# Altium PCB Crawler_Brain.PcbDoc (continued)
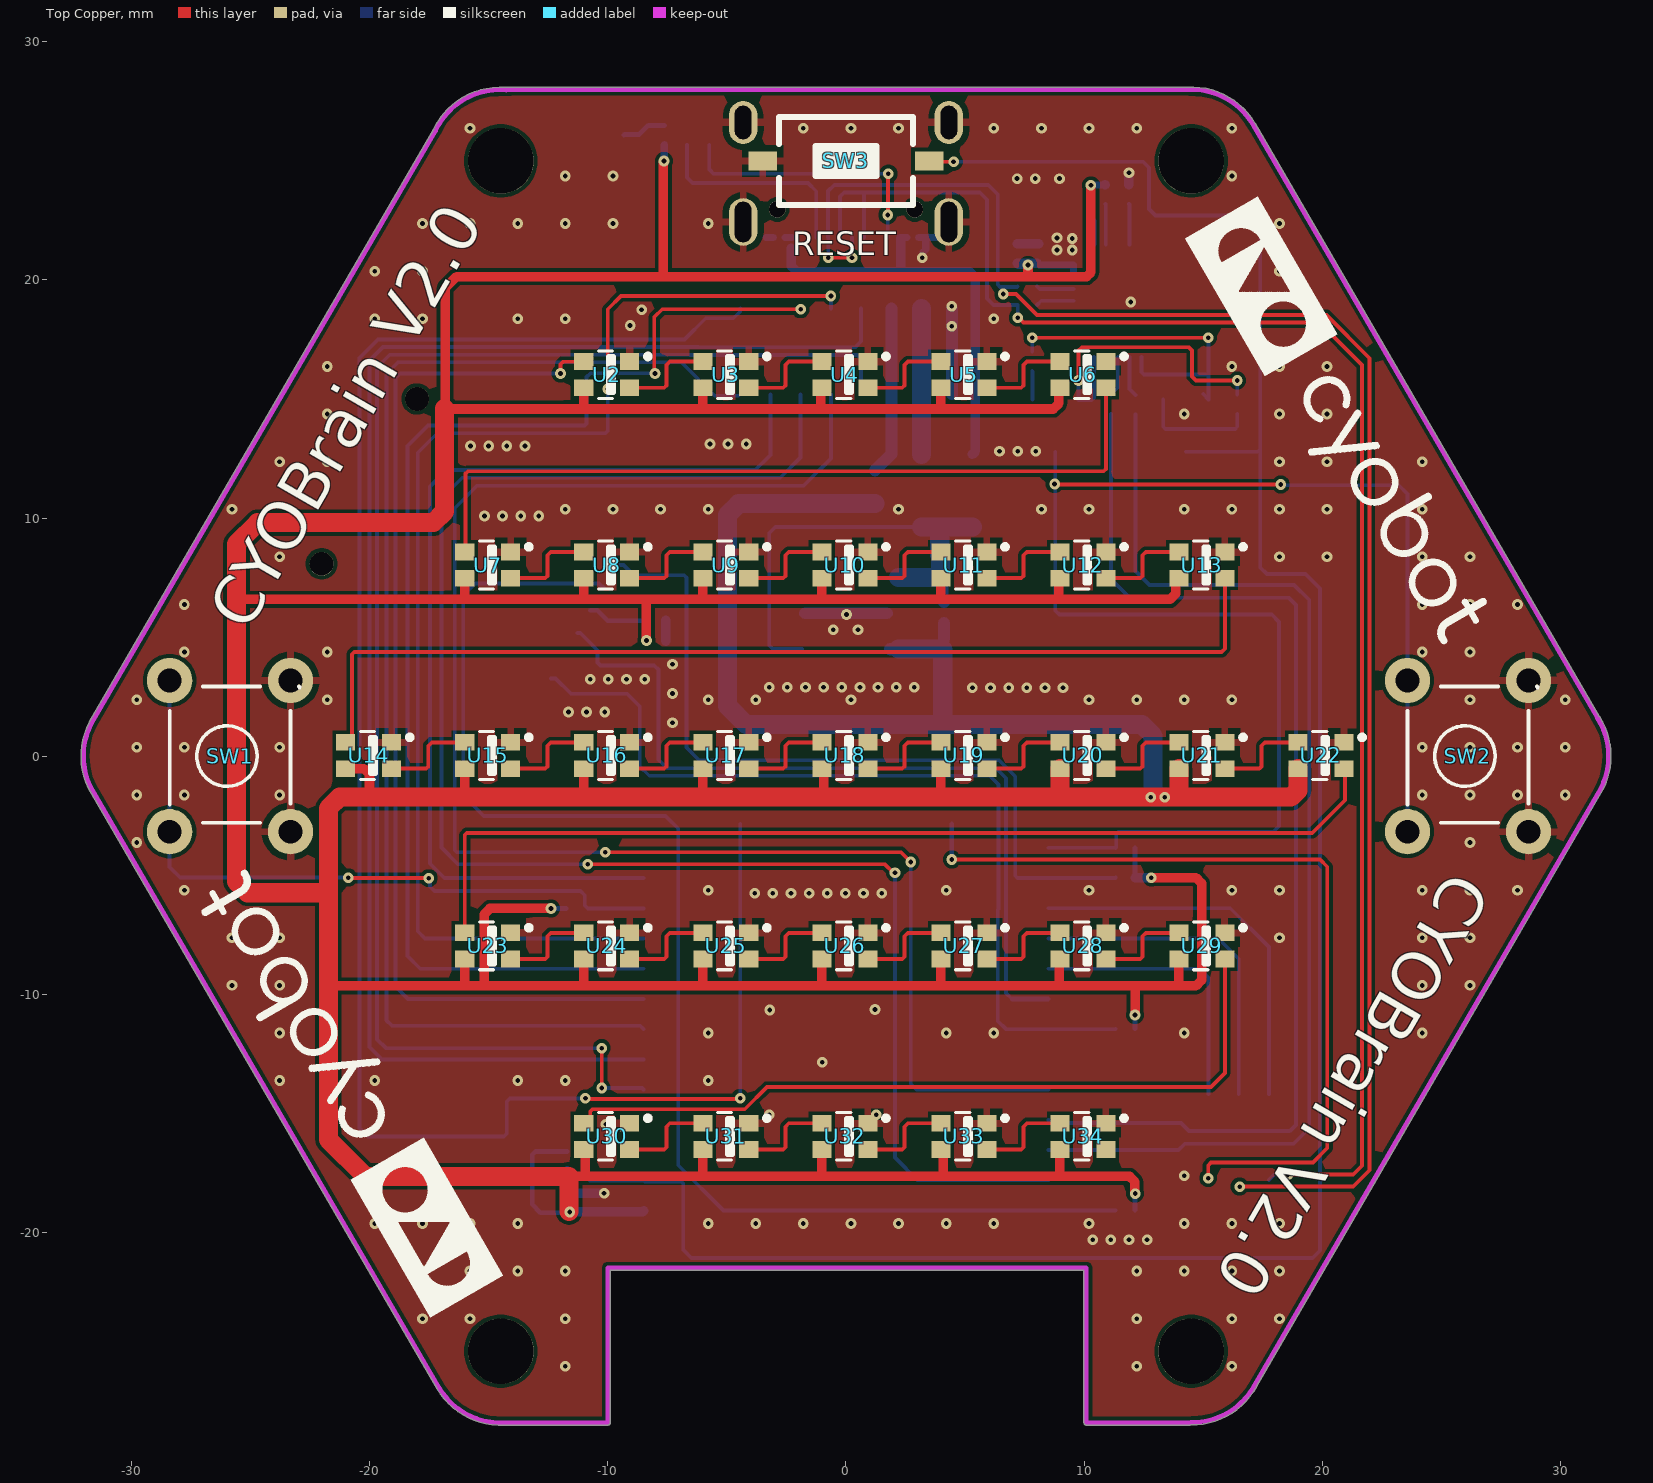
[diagram p0: Top Copper view]
## Footprints (in the part's own frame and the unit in brackets; to place one, negate y for a bottom-side part, rotate by r counter-clockwise, add the part's x,y. Pads: shape width x height; smd on the part's side, far side on the other; paste and mask are expansions set on the pad)
CAP_0402 [mm] "Capacitor"
  rect 0.5x0.5 smd mask+0.051: 1(-0.406,0) 2(0.406,0)
  silkscreen extent -0.76,-0.36 0.76,0.36, body extent -0.53,-0.28 0.52,0.27, height 0.55
CAP_0603 [mm] "Capacitor"
  rect 0.6x0.9 smd mask+0.051: 1(-0.711,0) 2(0.711,0)
  silkscreen extent -1.14,-0.56 1.14,0.56, body extent -0.87,-0.48 0.87,0.47, height 0.87
DIO-SMD-123 [mm]
  rect 0.9x1.2 smd: 1(1.524,0) 2(-1.524,0)
  silkscreen extent -2.16,-1.02 2.16,1.02, body extent -1.76,-0.8 1.94,0.8, height 1.25
ESP32WROOM32D16MB [mm]
  rect 2x0.9 smd: 1(-8.5,6.86) 2(-8.5,5.59) 3(-8.5,4.32) 4(-8.5,3.05) 5(-8.5,1.78) 6(-8.5,0.51) 7(-8.5,-0.76) 8(-8.5,-2.03) 9(-8.5,-3.3) 10(-8.5,-4.57) 11(-8.5,-5.84) 12(-8.5,-7.11) 13(-8.5,-8.38) 14(-8.5,-9.65) 25(8.5,-9.65) 26(8.5,-8.38) 27(8.5,-7.11) 28(8.5,-5.84) 29(8.5,-4.57) 30(8.5,-3.3) 31(8.5,-2.03) 32(8.5,-0.76) 33(8.5,0.51) 34(8.5,1.78) 35(8.5,3.05) 36(8.5,4.32) 37(8.5,5.59) 38(8.5,6.86)
  rect 0.9x2 smd: 15(-5.715,-10.65) 16(-4.445,-10.65) 17(-3.175,-10.65) 18(-1.905,-10.65) 19(-0.635,-10.65) 20(0.635,-10.65) 21(1.905,-10.65) 22(3.175,-10.65) 23(4.445,-10.65) 24(5.715,-10.65)
  rect 5x5 smd: 39(-1,-0.64)
  silkscreen extent -10.88,-11.15 9,14.35, body extent -8.87,-11.28 9.13,14.22, height 2.91
HDR-SMD_6P-P1.27-V-F-R2-C3-LS4.8 [mm]
  rect 0.74x2.2 smd: 1(-1.27,-1.8) 2(-1.27,1.8) 3(0,-1.8) 4(0,1.8) 5(1.27,-1.8) 6(1.27,1.8)
  silkscreen extent -2.67,-2.54 2.03,1.52, body extent -2.11,-2.3 2.1,2.3, height 4.5
HDR-SMD_16P-P1.27-V-F-R2-C8-LS4.8 [mm]
  rect 0.74x2.2 smd: 1(-4.445,-1.8) 2(-4.445,1.8) 3(-3.175,-1.8) 4(-3.175,1.8) 5(-1.905,-1.8) 6(-1.905,1.8) 7(-0.635,-1.8) 8(-0.635,1.8) 9(0.635,-1.8) 10(0.635,1.8) 11(1.905,-1.8) 12(1.905,1.8) 13(3.175,-1.8) 14(3.175,1.8) 15(4.445,-1.8) 16(4.445,1.8)
  silkscreen extent -5.84,-2.54 5.33,1.52, body extent -5.28,-2.38 5.28,2.22, height 4.5
LEDC1608X80N [mm]
  rect 0.9x0.95 smd: 1(-0.8,0) 2(0.8,0)
  silkscreen extent -1.6,-0.82 0.8,0.82, body extent -0.83,-0.4 0.77,0.4, height 0.8
QFN50P500X500X80-29N [mm]
  rect 1x0.3 smd: 1(-2.35,1.5) 2(-2.35,1) 3(-2.35,0.5) 4(-2.35,0) 5(-2.35,-0.5) 6(-2.35,-1) 7(-2.35,-1.5) 15(2.35,-1.5) 16(2.35,-1) 17(2.35,-0.5) 18(2.35,0) 19(2.35,0.5) 20(2.35,1) 21(2.35,1.5)
  rect 0.3x1 smd: 8(-1.5,-2.35) 9(-1,-2.35) 10(-0.5,-2.35) 11(0,-2.35) 12(0.5,-2.35) 13(1,-2.35) 14(1.5,-2.35) 22(1.5,2.35) 23(1,2.35) 24(0.5,2.35) 25(0,2.35) 26(-0.5,2.35) 27(-1,2.35) 28(-1.5,2.35)
  rect 3x3 smd: 29(0,0)
  silkscreen extent -2.97,2.13 -2.72,2.37, body extent -2.55,-2.55 2.55,2.55, height 0.8
RES_0402 [mm]
  rect 0.5x0.5 smd mask+0.051: 1(-0.406,0) 2(0.406,0)
  silkscreen extent -0.76,-0.36 0.76,0.36, body extent -0.5,-0.25 0.5,0.25, height 0.3
RES_0603 [mil] "CASE: 0603"
  rect 35x35 smd mask+3: 1(-27.5,0) 2(27.5,0)
  silkscreen extent -54,-26 54,26, body extent -32,-16 31,16, height 18
SOT95P240X115-3N [mm]
  rect 1.1x0.6 smd: 1(-1.1,0.95) 2(-1.1,-0.95) 3(1.1,0)
  silkscreen extent -1.65,-1.45 0.2,1.5, body extent -1.2,-1.45 1.2,1.45, height 1.15
SW1-SMD [mm]
  rect 1.2x0.8 smd: 1(-3.5,0) 2(3.5,0)
  silkscreen extent -2.82,-1.85 2.82,1.85, body extent -3.05,-1.85 3.05,1.85, height 2.5
SW2-DIP [mm] "SW button 4pin, 250 x250 mil"
  round 1.905 hole 1: 1(-3.175,2.413) 2(-3.175,-2.667) 3(3.175,-2.667) 4(3.175,2.413)
  silkscreen extent -2.79,-3.05 2.92,2.41, body extent -4.08,-3.18 3.82,3.02, height 7
TF-SMD_TF-01A [mm]
  rect 0.6x1.3 smd: 1(2.301,5.276) 2(1.201,5.276) 3(0.101,5.276) 4(-0.999,5.276) 5(-2.099,5.276) 6(-3.199,5.276) 7(-4.299,5.276) 8(-5.399,5.276) 9(-6.499,5.276)
  rect 1.2x1.4 smd: 10(-7.599,4.426) 13(7.081,4.426)
  rect 1.2x2 smd: 11(-7.76,-5.276) 12(7.76,-5.276)
  round 1 hole 1 unplated: ""(-4.95,-5.478) ""(3.05,-5.476)
  silkscreen extent -7.37,-9.56 7.37,4.97, body extent -8.05,-12.21 8.05,5.61, height 2.05
USB-C-SMD_KH-TYPE-C-16P [mm]
  oval 1.2x2 hole 0.7 slot 1.7 at 90 deg: 1(-4.32,1.765) 2(4.32,1.765)
  oval 1.2x1.8 hole 0.7 slot 1.4 at 90 deg: 3(-4.32,-2.415) 4(4.32,-2.415)
  rect 0.3x1.3 smd: A1(-3.35,2.415) A4(-2.55,2.415) A5(-1.25,2.415) A6(-0.25,2.415) A7(0.25,2.415) A8(1.25,2.415) A9(2.55,2.415) A12(3.35,2.415) B1(3.05,2.415) B4(2.25,2.415) B5(1.75,2.415) B6(0.75,2.415) B7(-0.75,2.415) B8(-1.75,2.415) B9(-2.25,2.415) B12(-3.05,2.415)
  round 0.7 hole 0.7 unplated: ""(-2.89,1.235) ""(2.89,1.235)
  silkscreen extent -4.57,-5.08 4.57,0.57, body extent -4.48,-5.15 4.47,2.75, height 3.26
WS2812-2020 [mm]
  rect 0.8x0.7 smd: 1(1.015,0.525) 2(-0.915,0.525) 3(-0.915,-0.575) 4(1.015,-0.575)
  silkscreen extent -1.78,-1.03 0.4,0.97, body extent -1.1,-1.03 1.1,0.97, height 0.84
XC6220B331PRG [mm]
  rect 0.7x1.5 smd: 1(-1.5,-1.85) 3(1.5,-1.85) 4(1.5,1.85) 5(-1.5,1.85)
  rect 1x1.75 smd: 2(0,-1.725) 6(0,1.725)
  rect 2x1.7 smd: 7(0,0)
  silkscreen extent -2.25,-3.48 2.25,1.25, body extent -2.25,-1.25 2.25,1.25, height 1.7

## Part data
C1 C8 C10: library part CAP_4.7uF-10V-10%-0402, "4.7µF ±10% 10V Ceramic Capacitor X5R 0402 (1005 Metric)", Case/Package=0402, Manufacturer="Samsung Electro-Mechanics", Manufacturer Part Number=CL05A475KP5NRNC, Supplier-1=Digikey
C2 C7 C9 C11: library part CAP_100nF-10V-10%-0402, "0.1µF ±10% 10V Ceramic Capacitor X7R 0402 (1005 Metric)", Case/Package=0402, Manufacturer=Yageo, Manufacturer Part Number=CC0402KRX7R6BB104, Supplier-1=Digikey
C3 C5: library part CAP_1uF-10V-10%-0402, "1µF ±10% 10V Ceramic Capacitor X6S 0402 (1005 Metric)", Case/Package=0402, Manufacturer="Murata Electronics", Manufacturer Part Number=GRT155C81A105KE01D, Supplier-1=Digikey
C4 C6: library part CAP_22uF-10V-20%-0603, "22µF ±20% 10V Ceramic Capacitor X5R 0603 (1608 Metric)", Case/Package=0603, Manufacturer="Murata Electronics", Manufacturer Part Number=GRM188R61A226ME15D, Supplier-1=Digikey
CARD1: BOM_JLCPCB Part Class="Extended Part", BOM_Manufacturer=韩国韩荣, BOM_Manufacturer Part=TF-01A, BOM_Supplier=LCSC, BOM_Supplier Part=C91145, spicePre=C, spiceSymbolName=TF-01A
DIO1 DIO2: "Default Diode", Code - JEDEC=DO-214-AB, Published=8-Jun-2000, Publisher="Altium Limited", Revision="July-2002: Re-released for DXP Platform."
H1: BOM_JLCPCB Part Class="Extended Part", BOM_Manufacturer="XKB Connectivity(中国星坤)", BOM_Manufacturer Part=X1321FVS-2x08-C43D48, BOM_Supplier=LCSC, BOM_Supplier Part=C2684736, Contributor=LCSC, spicePre=H, spiceSymbolName=X1321FVS-2X08-C43D48
H2 H3: BOM_JLCPCB Part Class="Extended Part", BOM_Manufacturer="XKB Connectivity(中国星坤)", BOM_Manufacturer Part=X1321FVS-2x03-C43D48, BOM_Supplier=LCSC, BOM_Supplier Part=C2684731, Contributor=LCSC, spicePre=H, spiceSymbolName=X1321FVS-2X03-C43D48
IC1: "Integrated Circuit", Manufacturer_Name="Silicon Labs", Mouser2 Part Number=634-CP2102NA02GQFN28, Datasheet Link=https://componentsearchengine.com//CP2102N-A02-GQFN28.pdf, Height=0.8mm, Manufacturer_Part_Number=CP2102N-A02-GQFN28, Mouser2 Price/Stock=https://www.mouser.com/Search/Refine.aspx?Keyword=634-CP2102NA02GQFN28
IC2: "Integrated Circuit", Manufacturer_Name=Torex, Mouser Part Number=865-XC6220B331PR-G, Datasheet Link=https://www.torexsemi.com/file/xc6220/XC6220.pdf, Height=1.6mm, Manufacturer_Part_Number=XC6220B331PR-G, Mouser Price/Stock=https://www.mouser.co.uk/ProductDetail/Torex-Semiconductor/XC6220B331PR-G?qs=AsjdqWjXhJ9%2FMkHVs5v3gw%3D%3D
LED1: "LED RED", Manufacturer_Name=Lite-On, Mouser Part Number=859-LTST-C190KRKT, Arrow Part Number=LTST-C190KRKT, Arrow Price/Stock=https://www.arrow.com/en/products/ltst-c190krkt/lite-on-technology?region=europe, Datasheet Link=https://componentsearchengine.com/Datasheets/1/LTST-C190KRKT.pdf, Height=0.8mm, Manufacturer_Part_Number=LTST-C190KRKT, Mouser Price/Stock=https://www.mouser.co.uk/ProductDetail/Lite-On/LTST-C190KRKT?qs=kAD5fFa1n5VY3YYNWPC1Fg%3D%3D
Q1 Q2: "Transistor BJT NPN", Manufacturer_Name="Comchip Technology", Mouser2 Part Number=750-SS8050-G, Datasheet Link=https://componentsearchengine.com//SS8050-G.pdf, Height=1.15mm, Manufacturer_Part_Number=SS8050-G, Mouser2 Price/Stock=https://www.mouser.com/Search/Refine.aspx?Keyword=750-SS8050-G
R1 R2 R4 R5: library part RES_0R-0.1W-1%-0402, "0 Ohms Jumper 0.1W, 1/10W Chip Resistor 0402 (1005 Metric) Automotive AEC-Q200 Thick Film", Case/Package=0402, Manufacturer="Panasonic Electronic Components", Manufacturer Part Number=ERJ-2GE0R00X, Supplier-1=Digikey
R3 R6 R7 R13 R14 R15 R16 R17 R18: library part RES_10K-0.1W-1%-0402, "10 kOhms ±1% 0.1W, 1/10W Chip Resistor 0402 (1005 Metric) Anti-Sulfur Thin Film", Case/Package=0402, Manufacturer="Vishay Beyschlag/Draloric/BC Components", Manufacturer Part Number=MCS04020C1002FE000, Supplier-1=Digikey
R9: library part RES_4.7K-0.1W-1%-0402, "4.7 kOhms ±1% 0.1W, 1/10W Chip Resistor 0402 (1005 Metric) Automotive AEC-Q200 Thick Film", Case/Package=0402, Manufacturer="Panasonic Electronic Components", Manufacturer Part Number=ERJ-2RKF4701X, Supplier-1=Digikey
R11 R12: library part RES_5.6K-0.1W-1%-0402, "5.1 kOhms ±1% 0.1W, 1/10W Chip Resistor 0402 (1005 Metric) Automotive AEC-Q200, Moisture Resistant Thick Film", Case/Package=0402, Manufacturer="KOA Speer Electronics, Inc.", Manufacturer Part Number=RK73H1ETTP5601F, Supplier-1=Digikey
R19: library part RES_1K-0.1W-1%-0402, "470 Ohms ±1% 0.1W, 1/10W Chip Resistor 0402 (1005 Metric) Anti-Sulfur Thin Film", Case/Package=0402, Manufacturer="Vishay Beyschlag/Draloric/BC Components", Manufacturer Part Number=MCS04020C1001FE000, Supplier-1=Digikey
R20: library part RES_0R-0.1W-1%-0603, "0 Ohms Jumper 0.1W, 1/10W Chip Resistor 0603 (1608 Metric) Thick Film", Case/Package=0603, Manufacturer=Yageo, Manufacturer Part Number=RC0603JR-070RL, Supplier-1=Digikey
SW1 SW2: library part SW4, "Switch button 4 pin"
SW3: library part SW2, "Switch button 2 pin"
U1: "IC: SoC; GPIO, I2C, I2S, IR, SD, SDIO, SPI, UART; 2.7Ã·3.6VDC; 20dBm", Package="Module Espressif Systems", Availability=Unavailable, MF="Espressif Systems", MP=ESP32-WROOM-32D, Price=None, SnapEDA_Link=https://www.snapeda.com/parts/ESP32-WROOM-32D/Espressif%20Systems/view-part/?ref=snap
U2 U3 U4 U5 U6 U7 U8 U9 U10 U11 U12 U13 U14 U15 U16 U17 U18 U19 U20 U21 U22 U23 U24 U25 U26 U27 U28 U29 U30 U31 U32 U33 U34: library part WS2812B
USB1: BOM_JLCPCB Part Class="Extended Part", BOM_Manufacturer=kinghelm(金航标), BOM_Manufacturer Part=KH-TYPE-C-16P, BOM_Supplier=LCSC, BOM_Supplier Part=C709357, Contributor=LCSC, spicePre=U, spiceSymbolName=KH-TYPE-C-16P

## Free pads (board coordinates)
  round 2.75 hole 2.75: 1(-14.5,-25) 2(14.5,-25) 3(14.5,25) 4(-14.5,25)

## Via types
v1: diameter 0.45, hole 0.2, Top Copper to Bottom Copper, tented both sides, 279 vias
v2: diameter 0.45, hole 0.2, Top Copper to Bottom Copper, 1 vias

## Nets (pads, with @x,y where several pads share a name; then routed paths per layer and width w, separated by ;. In a path a pad name is that pad's centre, name@x,y a point inside that pad or via, vN(x,y) a via of type N, cw(c..) or ccw(c..) an arc to the next point about the centre after c; other vN are vias at no path point)
+3V3: C1.2 C2.2 C5.2 C6.2 C8.2 C9.2 C10.2 C11.2 CARD1.4 IC1.6 IC1.7 IC1.8 IC2.5 R9.1 R13.2 R14.2 R15.2 R16.2 R17.2 R18.2 R19.2 R20.1 U1.2 U2.1 U3.1 U4.1 U5.1 U6.1 U7.1 U8.1 U9.1 U10.1 U11.1 U12.1 U13.1 U14.1 U15.1 U16.1 U17.1 U18.1 U19.1 U20.1 U21.1 U22.1 U23.1 U24.1 U25.1 U26.1 U27.1 U28.1 U29.1 U30.1 U31.1 U32.1 U33.1 U34.1 | length 382.8
  Top Copper w0.4: -25.603,6.502 -25.527,6.579 -16.027,6.579 ; -21.742,-9.652 -16.078,-9.652 ; U14.1 -20.25,-0.525 -20.015,-0.759 -20.015,-1.727 ; -16.866,14.605 -16.841,14.58 ; U23.1 -16.015,-9.589 -16.078,-9.652 ; U15.1 -16.015,-1.663 -15.951,-1.727 ; U7.1 -16.015,6.591 -16.027,6.579 ; v1(-12.395,-6.401) -14.955,-6.401 -15.189,-6.635 -15.189,-9.652 ; -11.633,-17.653 -10.947,-17.653 ; -11.074,-1.727 -11.015,-1.668 U16.1 ; U30.1 -10.947,-16.592 -10.947,-17.653 ; U24.1 -11.015,-9.644 -11.024,-9.652 ; U8.1 -11.015,6.596 -10.998,6.579 ; U2.1 -11.015,14.58 ; v1(-8.382,4.851) -8.382,6.579 ; v1(-7.645,24.994) -7.645,24.98 -7.671,24.955 -7.671,20.142 ; -6.02,-1.727 -6.015,-1.723 U17.1 ; U31.1 -6.015,-17.632 -5.994,-17.653 ; U25.1 -6.015,-9.597 -6.071,-9.652 ; U9.1 -6.015,6.599 -5.994,6.579 ; U3.1 -6.015,14.584 -6.02,14.58 ; U32.1 -1.015,-17.628 -0.991,-17.653 ; U26.1 -1.015,-9.6 -1.067,-9.652 ; U18.1 -0.94,-0.6 -0.94,-1.727 ; U10.1 -1.015,6.679 -0.914,6.579 ; U4.1 -1.067,15.424 -1.067,14.58 ; 3.937,-1.727 3.985,-1.679 U19.1 ; U33.1 4.089,-16.629 4.089,-17.653 ; U27.1 3.985,-9.547 4.089,-9.652 ; U11.1 3.985,6.658 4.064,6.579 ; U5.1 3.985,14.608 4.013,14.58 ; v1(7.645,20.626) 7.645,20.142 ; U34.1 8.985,-17.595 9.042,-17.653 ; U28.1 8.966,-8.543 8.966,-9.652 ; U12.1 8.941,7.431 8.941,6.579 ; U6.1 8.941,15.431 8.941,14.814 8.706,14.58 4.013,14.58 ; v1(10.287,23.978) 10.287,20.318 10.111,20.142 7.645,20.142 ; v1(12.141,-10.871) 12.141,-9.703 12.192,-9.652 ; v1(12.146,-18.378) 12.136,-18.369 12.136,-17.878 11.911,-17.653 9.042,-17.653 ; v1(12.827,-5.105) 14.701,-5.105 14.935,-5.34 14.935,-9.418 14.701,-9.652 12.192,-9.652 ; 13.894,-9.652 13.975,-9.571 13.975,-8.675 13.985,-8.665 U29.1 ; U13.1 13.849,7.339 13.849,6.813 13.614,6.579 8.941,6.579 ; -16.841,14.58 -16.841,19.659 -16.358,20.142 -7.671,20.142 ; -16.841,14.58 -11.015,14.58 ; -16.078,-9.652 -15.189,-9.652 ; -16.027,6.579 -10.998,6.579 ; -15.189,-9.652 -11.024,-9.652 ; -11.024,-9.652 -6.071,-9.652 ; -11.015,14.58 -10.815,14.58 -6.02,14.58 ; -10.998,6.579 -8.382,6.579 ; -10.947,-17.653 -5.994,-17.653 ; -8.382,6.579 -5.994,6.579 ; -7.671,20.142 7.645,20.142 ; -6.071,-9.652 -1.067,-9.652 ; -6.02,14.58 -1.067,14.58 ; -5.994,-17.653 -0.991,-17.653 ; -5.994,6.579 -0.914,6.579 ; -1.067,-9.652 4.089,-9.652 ; -1.067,14.58 4.013,14.58 ; -0.991,-17.653 4.089,-17.653 ; -0.914,6.579 4.064,6.579 ; 4.064,6.579 8.941,6.579 ; 4.089,-17.653 9.042,-17.653 ; 4.089,-9.652 8.966,-9.652 ; 8.966,-9.652 12.192,-9.652
  Top Copper w0.8: -16.866,14.605 -16.866,10.273 -17.334,9.804 -24.714,9.804 -25.603,8.915 -25.603,6.502 -25.603,-5.272 -25.135,-5.74 -21.869,-5.74 -21.742,-5.867 ; v1@-11.633,-19.126 -11.633,-17.653 -20.193,-17.653 -21.742,-16.104 -21.742,-9.652 -21.742,-5.867 ; U20.1 8.985,-1.67 9.042,-1.727 ; U21.1 13.985,-1.64 14.072,-1.727 ; U22.1 18.985,-1.434 18.692,-1.727 14.072,-1.727 ; -21.742,-5.867 -21.742,-2.196 -21.274,-1.727 -20.015,-1.727 -15.951,-1.727 -11.074,-1.727 -6.02,-1.727 -0.94,-1.727 3.937,-1.727 9.042,-1.727 ; 9.042,-1.727 v1(13.386,-1.727) 14.072,-1.727
  Bottom Copper w0.2: v1(-12.395,-6.401) R14.2 ; R13.2 -13.056,-16.612 -13.183,-16.739 -13.183,-18.831 -12.837,-19.177 C8.2 -11.633,-19.177 v1(-11.608,-19.152) ; CARD1.4 -10.442,6.123 -10.009,5.69 -8.382,5.69 C10.2 ; v1(10.287,23.978) 10.287,22.629 10.413,22.503 IC1.8 ; R16.2 12.141,-18.383 v1(12.146,-18.378) ; R18.2 v1(12.141,-10.871) ; R17.2 R15.2
  Bottom Copper w0.3: v1(-7.645,24.994) -7.633,25.006 -7.633,25.667 R19.2 ; C2.2@8.103,20.626 IC1.7 IC1.6 ; v1(10.287,23.978) 10.3,23.99 R9.1@10.884,23.99
  Bottom Copper w0.4: C8.2 -11.615,-19.134 -8.543,-19.134 U1.2 ; v1(7.645,20.626) 7.632,20.626 7.607,20.651 7.238,20.651 C1.2 C2.2@8.028,20.701 ; R9.1@10.871,24.003 R9.1@10.884,23.99 ; R17.2 v1(12.827,-5.105)
  Bottom Copper w0.5: IC2.5 IC2.5@1.865,4.485 ; C6.2@4.115,4.918 C5.2
  Bottom Copper w0.8: R20.1 -4.51,10.605 -4.978,10.136 -4.978,2.108 -4.191,1.321 12.435,1.321 12.903,0.852 12.903,-1.727 v1(13.386,-1.727) ; IC2.5@2.2,4.494 C6.2@3.964,4.494 ; C6.2 4.064,1.473 4.216,1.321
  other v2: 12.802,-1.727
+5V: DIO2.1 H1.13 H1.14 | length 6.1
  Bottom Copper w0.8: DIO2.1 H1.14 H1.13
BAT_MEAS: H1.10 U1.6 | length 63.4
  Top Copper w0.16: v1(-10.262,-13.941) v1(-10.262,-12.268)
  Bottom Copper w0.16: v1(-10.262,-13.941) -8.569,-13.941 U1.6 ; v1(-10.262,-12.268) -19.329,-12.268 -19.695,-11.902 -19.695,16.332 -19.167,16.861 -6.574,16.861 -6.563,16.85 0.472,16.85 0.635,16.688 H1.10
BUTTON: R14.1 SW1.1 SW1.4 U1.12 | length 28.9
  Top Copper w0.16: v1(-20.904,-5.105) -20.893,-5.117 -17.537,-5.117 v1(-17.526,-5.128)
  Bottom Copper w0.16: SW1.4 SW1.1 -28.413,-4.658 -27.965,-5.105 v1(-20.904,-5.105) ; v1(-17.526,-5.128) -17.471,-5.183 -17.471,-5.485 -17.291,-5.664 -11.151,-5.664 -10.973,-5.842 -10.973,-6.274 -10.846,-6.401 -8.511,-6.401 U1.12
CHAR_DETECT: H1.9 U1.7 | length 62.9
  Bottom Copper w0.16: U1.7 -19.492,-12.74 -20.015,-12.217 -20.015,16.612 -19.446,17.181 -6.208,17.181 -6.198,17.17 0.381,17.17 0.635,17.424 H1.9
DTR: IC1.28 Q2.2 R3.2 | length 13
  Top Copper w0.16: v1(9.77,15.773) 9.77,17.034 9.906,17.17 14.402,17.17 14.529,17.043 14.529,15.951 14.707,15.773 v1(16.434,15.773)
  Bottom Copper w0.16: Q2.2 9.77,15.016 v1(9.77,15.773) ; Q2.2@9.764,14.961 10.319,14.961 10.413,15.054 IC1.28 ; R3.2 v1(16.434,15.773)
ESP_EN: C7.2 Q1.3 R13.1 SW3.2 U1.3 | length 99.4
  Top Copper w0.16: SW3.2 3.532,24.968 v1(4.521,24.968)
  Bottom Copper w0.16: R13.1 C7.2 -10.846,-17.475 -10.846,-17.737 -10.752,-17.831 -8.511,-17.831 U1.3 -8.449,-17.872 -6.926,-17.872 -6.833,-17.965 -6.833,-20.752 -6.502,-21.082 19.609,-21.082 19.914,-20.777 19.914,7.036 19.304,7.645 17.678,7.645 17.399,7.925 17.399,12.878 ; v1(4.521,24.968) 12.471,24.968 12.725,24.714 12.725,22.987 13.005,22.708 17.12,22.708 17.399,22.428 17.399,12.878 ; Q1.3 17.306,12.785 17.399,12.878
ESP_IO0: Q2.3 R15.1 SW2.1 SW2.4 U1.25 | length 64.4
  Top Copper w0.16: v1(8.763,11.43) 8.788,11.405 v1(18.263,11.405)
  Bottom Copper w0.16: U1.25 11.318,-3.85 R15.1 11.354,-3.835 11.354,-3.269 11.448,-3.175 17.958,-3.175 18.186,-2.946 18.186,5.639 17.882,5.944 8.966,5.944 8.789,6.121 Q2.3 ; v1(18.263,11.405) 18.288,11.379 23.216,11.379 23.587,11.008 SW2.4 SW2.1
ESP_RXD0: R1.2 U1.34 | length 47.7
  Bottom Copper w0.16: U1.34 8.638,-15.418 14.072,-15.418 14.402,-15.748 18.644,-15.748 18.898,-15.494 18.898,6.35 18.593,6.655 11.913,6.655 11.125,7.442 R1.2
ESP_RXD2: H3.5 U1.27 | length 16.1
  Bottom Copper w0.16: U1.27 16.144,-6.39 17.77,-8.016 H3.5
ESP_TXD0: R2.2 U1.35 | length 47.9
  Bottom Copper w0.16: U1.35 13.974,-16.55 14.242,-16.281 18.796,-16.281 19.456,-15.621 19.456,6.553 18.821,7.188 12.751,7.188 12.167,7.772 R2.2
ESP_TXD2: H3.3 U1.28 | length 14
  Bottom Copper w0.16: U1.28 15.636,-7.66 16.5,-8.524 H3.3
GND: C1.1 C2.1 C3.1 C4.1 C5.1 C6.1 C7.1 C8.1 C9.1 C10.1 C11.1 CARD1.6 CARD1.10 CARD1.11 CARD1.12 CARD1.13 H1.15 H1.16 IC1.3 IC1.29 IC2.2 IC2.6 IC2.7 LED1.1 R7.1 R11.1 R12.2 SW1.2 SW1.3 SW2.2 SW2.3 SW3.1 U1.1 U1.15 U1.38 U1.39 U2.3 U3.3 U4.3 U5.3 U6.3 U7.3 U8.3 U9.3 U10.3 U11.3 U12.3 U13.3 U14.3 U15.3 U16.3 U17.3 U18.3 U19.3 U20.3 U21.3 U22.3 U23.3 U24.3 U25.3 U26.3 U27.3 U28.3 U29.3 U30.3 U31.3 U32.3 U33.3 U34.3 USB1.1 USB1.2 USB1.3 USB1.4 USB1.A1 USB1.A12 USB1.B1 USB1.B12 | length 14.5
  Bottom Copper w0.3: USB1.A1 USB1.B12 ; USB1.B1 3.826,21.785 4.32,22.279 USB1.2 ; v1(3.2,20.93) 3.229,20.959 USB1.A12@3.229,21.164 ; USB1.A12@3.35,21.285 USB1.A12
  Bottom Copper w0.4: C7.1 -11.709,-18.313 C8.1 C9.1 v1(-10.16,-18.364) ; C10.1 C11.1 ; C1.1 C2.1 ; R7.1 v1(11.887,24.503)
  Bottom Copper w0.5: IC2.2 IC2.7 IC2.6 ; H1.16 H1.15
  other v1: -11.791,-25.631 12.209,-25.631 16.209,-25.631 -17.791,-23.631 -15.791,-23.631 -11.791,-23.631 12.209,-23.631 16.209,-23.631 18.209,-23.631 -17.791,-21.631 -15.791,-21.631 -13.791,-21.631 -11.791,-21.631 12.209,-21.631 14.209,-21.631 16.209,-21.631 18.209,-21.631 10.363,-20.32 11.125,-20.32 11.887,-20.32 12.649,-20.32 -19.791,-19.631 -17.791,-19.631 -15.791,-19.631 -13.791,-19.631 -5.791,-19.631 -3.791,-19.631 -1.791,-19.631 0.209,-19.631 2.209,-19.631 4.209,-19.631 6.209,-19.631 10.209,-19.631 14.209,-19.631 16.209,-19.631 18.209,-19.631 14.209,-17.631 -10.084,-15.469 -3.226,-15.062 1.27,-15.062 -23.791,-13.631 -19.791,-13.631 -13.791,-13.631 -11.791,-13.631 -5.791,-13.631 -1,-12.86 -23.791,-11.631 -5.791,-11.631 4.209,-11.631 6.209,-11.631 14.209,-11.631 24.209,-11.631 -3.2,-10.668 1.219,-10.643 -25.791,-9.631 -23.791,-9.631 24.209,-9.631 26.209,-9.631 -25.791,-7.631 -23.791,-7.631 18.209,-7.631 24.209,-7.631 26.209,-7.631 -3.835,-5.766 -3.073,-5.766 -2.311,-5.766 -1.549,-5.766 -0.787,-5.766 -0.025,-5.766 0.737,-5.766 1.499,-5.766 -27.791,-5.631 -5.791,-5.631 4.209,-5.631 10.209,-5.631 16.209,-5.631 18.209,-5.631 24.209,-5.631 26.209,-5.631 28.209,-5.631 -29.791,-3.631 26.209,-3.631 -29.791,-1.631 -27.791,-1.631 -23.791,-1.631 24.209,-1.631 26.209,-1.631 28.209,-1.631 30.209,-1.631 -29.791,0.369 -27.791,0.369 -23.791,0.369 24.209,0.369 26.209,0.369 28.209,0.369 30.209,0.369 -7.29,1.397 -11.659,1.854 -10.897,1.854 -10.135,1.854 -29.791,2.369 -21.791,2.369 -5.791,2.369 -3.791,2.369 0.209,2.369 10.209,2.369 12.209,2.369 14.209,2.369 16.209,2.369 26.209,2.369 30.209,2.369 -7.29,2.629 5.309,2.87 6.071,2.87 6.833,2.87 7.595,2.87 8.357,2.87 9.119,2.87 9.119,2.87 -3.226,2.896 -2.464,2.896 -1.702,2.896 -0.94,2.896 -0.178,2.896 0.584,2.896 1.346,2.896 2.108,2.896 2.87,2.896 -10.744,3.226 -9.982,3.226 -9.22,3.226 -8.458,3.226 -7.29,3.861 -27.791,4.369 -21.791,4.369 24.209,4.369 26.209,4.369 -0.533,5.309 0.508,5.309 0.025,5.944 -27.791,6.369 24.209,6.369 26.209,6.369 28.209,6.369 -23.791,8.369 18.209,8.369 20.209,8.369 24.209,8.369 26.209,8.369 -15.189,10.084 -14.427,10.084 -13.665,10.084 -12.903,10.084 -12.903,10.084 -25.791,10.369 -11.791,10.369 -9.791,10.369 -7.791,10.369 -5.791,10.369 2.209,10.369 8.209,10.369 10.209,10.369 14.209,10.369 16.209,10.369 18.209,10.369 20.209,10.369 24.209,10.369 -23.791,12.369 -21.791,12.369 18.209,12.369 20.209,12.369 24.209,12.369 6.452,12.802 7.214,12.802 7.976,12.802 7.976,12.802 -15.773,13.03 -15.011,13.03 -14.249,13.03 -13.487,13.03 -13.487,13.03 -5.715,13.106 -4.953,13.106 -4.191,13.106 -21.791,14.369 14.209,14.369 18.209,14.369 20.209,14.369 -21.791,16.369 16.209,16.369 18.209,16.369 20.209,16.369 4.445,18.059 -9.068,18.085 -19.791,18.369 -17.791,18.369 -13.791,18.369 -11.791,18.369 6.209,18.369 -8.585,18.745 4.445,18.898 11.963,19.075 -19.791,20.369 -17.791,20.369 16.209,20.369 18.209,20.369 8.865,21.26 9.5,21.26 9.5,21.742 8.865,21.768 8.865,21.768 -17.791,22.369 -15.791,22.369 -13.791,22.369 -11.791,22.369 -9.791,22.369 -5.791,22.369 18.209,22.369 7.188,24.257 7.95,24.257 8.966,24.257 8.966,24.257 -11.791,24.369 -9.791,24.369 16.209,24.369 -15.791,26.369 -1.791,26.369 0.209,26.369 2.209,26.369 6.209,26.369 8.209,26.369 10.209,26.369 12.209,26.369 16.209,26.369
GPIO_05: H3.1 U1.29 | length 11.8
  Bottom Copper w0.16: U1.29 14.848,-8.93 15.23,-9.312 H3.1
GPIO_15: H3.2 U1.23 | length 35.1
  Top Copper w0.16: v1(4.445,-4.343) 19.914,-4.343 20.218,-4.648 20.218,-16.469 19.612,-17.075 15.332,-17.075 15.215,-17.192 v1(15.215,-17.729)
  Bottom Copper w0.2: v1(4.445,-4.343) U1.23
HSPI_CLK: CARD1.5 U1.30 | length 34
  Bottom Copper w0.16: CARD1.5 -11.161,5.17 -10.439,4.449 -10.439,3.937 -10.312,3.81 -8.052,3.81 -7.874,3.632 -7.874,-0.152 -7.518,-0.508 6.299,-0.508 6.725,-0.934 6.725,-9.951 6.985,-10.211
  Bottom Copper w0.2: 6.985,-10.211 6.996,-10.2 U1.30
HSPI_CS: CARD1.2 R17.1 U1.26 | length 33
  Bottom Copper w0.16: CARD1.2 -9.346,8.028 -8.912,7.595 -6.799,7.595 -6.706,7.501 -6.706,0.356 -6.172,-0.178 6.426,-0.178 7.112,-0.864 7.112,-5.026 7.206,-5.12 U1.26 11.314,-5.12 R17.1
HSPI_MISO: CARD1.7 R18.1 U1.31 | length 37.2
  Bottom Copper w0.16: CARD1.7 -12.206,3.265 -11.557,2.616 -9.195,2.616 -8.661,2.083 -8.661,-0.432 -8.265,-0.828 6.035,-0.828 6.405,-1.198 6.405,-6.423 6.375,-6.453 6.375,-11.125 6.72,-11.47 U1.31 11.314,-11.47 R18.1
HSPI_MOSI: CARD1.3 R16.1 U1.37 | length 57.5
  Bottom Copper w0.16: CARD1.3 -10.364,7.251 -15.584,7.251 -16.078,6.756 -16.078,-1.651 -15.215,-2.515 -7.58,-2.515 -7.046,-3.048 -7.046,-17.185 -5.141,-19.09 U1.37 11.314,-19.09 R16.1
I2C_SCL: H1.6 U1.36 | length 71.4
  Top Copper w0.16: v1(-10.846,-4.547) 1.642,-4.547 1.998,-4.902 v1(2.057,-4.902)
  Bottom Copper w0.16: v1(-10.846,-4.547) -16.285,-4.547 -16.993,-3.839 -16.993,10.82 -16.119,11.694 -2.758,11.694 -1.905,12.548 H1.6 ; v1(2.057,-4.902) 2.057,-16.866 3.012,-17.82 U1.36
I2C_SDA: H1.8 U1.33 | length 68.3
  Top Copper w0.16: v1(-10.109,-4.039) 2.311,-4.039 v1(2.718,-4.445)
  Bottom Copper w0.16: v1(-10.109,-4.039) -16.34,-4.039 -16.434,-3.945 -16.434,10.414 -15.494,11.354 -1.778,11.354 -0.635,12.497 H1.8 ; v1(2.718,-4.445) 2.718,-13.767 2.961,-14.01 U1.33
I2S_BCLK: H1.5 U1.10 | length 53
  Top Copper w0.16: v1(-8.026,16.076) -8.052,16.101 -8.052,18.44 -7.722,18.771 v1(-1.905,18.771)
  Bottom Copper w0.16: U1.10 -17.882,-8.93 -18.415,-8.397 -18.415,13.03 -17.562,13.884 -10.99,13.884 -10.897,13.977 -10.897,15.926 -10.744,16.078 -8.029,16.078 v1(-8.026,16.076)
I2S_DIN: H1.4 U1.13 | length 42.5
  Bottom Copper w0.16: U1.13 -16.876,-5.12 -17.475,-4.521 -17.475,11.328 -16.789,12.014 -3.81,12.014 -3.175,12.649 H1.4
I2S_LRC: H1.7 U1.11 | length 53.3
  Top Copper w0.16: v1(-10.008,15.418) -10.008,18.771 -9.449,19.329 v1(-0.635,19.329)
  Bottom Copper w0.16: v1(-10.008,15.418) -10.008,13.657 -10.101,13.564 -17.17,13.564 -17.991,12.743 -17.991,-7.358 -17.689,-7.66 U1.11 ; H1.7 v1(-0.635,19.329)
MICROPHONE: H1.2 U1.8 | length 53.8
  Bottom Copper w0.16: U1.8 -8.642,-11.328 -19.075,-11.328 -19.304,-11.1 -19.304,16.053 -18.816,16.541 -6.914,16.541 -5.512,15.138 -4.507,15.138 H1.2
NEO_PIXEL_BRAIN: U1.9 U2.4 | length 44.6
  Top Copper w0.16: v1(-11.989,16.076) -11.989,16.459 -11.887,16.561 -11.03,16.561 U2.4
  Bottom Copper w0.16: v1(-11.989,16.076) -18.722,16.076 -18.923,15.875 -18.923,-9.677 -18.4,-10.2 U1.9
NEO_PIXEL_CRAWLER: H1.1 U1.16 | length 78.4
  Top Copper w0.16: v1(-10.947,-14.376) -10.918,-14.406 -4.482,-14.406 v1(-4.445,-14.369)
  Bottom Copper w0.16: v1(-10.947,-14.376) -14.122,-14.376 -14.249,-14.503 -14.249,-15.85 -14.376,-15.977 -20.091,-15.977 -20.439,-15.629 -20.439,16.721 -19.66,17.501 -6.782,17.501 -5.893,18.39 -4.735,18.39 -4.445,18.68 H1.1 ; v1(-4.445,-14.369) U1.16
NetC3_2: C3.2 C4.2 DIO1.2 DIO2.2 IC2.1 IC2.4 | length 19.8
  Bottom Copper w0.16: IC2.1 -3.078,4.5 -3.226,4.648 -3.226,9.373 -2.972,9.627 DIO2.2
  Bottom Copper w0.5: C4.2 4.064,6.528 C3.2
  Bottom Copper w0.8: IC2.4@2.2,7.506 3.964,7.506 3.964,8.432 3.938,8.458 3.938,9.627 ; DIO2.2 3.938,9.627 ; DIO1.2 3.938,9.627
NetH1_11: H1.11 H1.12 R20.2 | length 7.1
  Bottom Copper w0.5: R20.2 1.905,12.687 H1.12 H1.11
NetIC1_4: IC1.4 R4.2 | length 1.6
  Bottom Copper w0.16: R4.2 8.204,19.126 IC1.4
NetIC1_5: IC1.5 R5.2 | length 1.6
  Bottom Copper w0.16: R5.2 8.136,19.626 IC1.5
NetIC1_9: IC1.9 R9.2 | length 1.7
  Bottom Copper w0.16: R9.2 10.913,23.174 IC1.9
NetIC1_11: IC1.11 R7.2 | length 1.7
  Bottom Copper w0.16: R7.2 11.913,23.165 IC1.11
NetIC1_25: IC1.25 R2.1 | length 1.7
  Bottom Copper w0.16: IC1.25 11.913,15.418 R2.1
NetIC1_26: IC1.26 R1.1 | length 1.7
  Bottom Copper w0.16: R1.1 11.413,15.477 IC1.26
NetLED1_2: LED1.2 R19.1 | length 1.9
  Bottom Copper w0.2: LED1.2 -9.309,26.111 -8.687,26.111 -8.306,26.492 R19.1
NetQ1_1: Q1.1 R3.1 | length 4.9
  Bottom Copper w0.16: Q1.1 13.325,13.835 13.419,13.741 16.34,13.741 16.434,13.835 R3.1
NetQ2_1: Q2.1 R6.1 | length 1.2
  Bottom Copper w0.16: R6.1 7.839,16.164 Q2.1
NetR11_2: R11.2 USB1.A5 | length 9
  Bottom Copper w0.16: R11.2 -6.68,24.308 -6.452,24.079 -1.6,24.079 -1.25,23.729 USB1.A5
NetR12_1: R12.1 USB1.B5 | length 11.3
  Top Copper w0.16: v1(1.753,22.733) 1.765,22.746 1.765,24.447 v1(1.778,24.46)
  Bottom Copper w0.16: R12.1 -5.74,24.638 -5.563,24.46 v1(1.778,24.46) ; USB1.B5 USB1.B5 1.751,22.732 v1(1.753,22.733)
NetU2_2: U2.2 U3.4 | length 4
  Top Copper w0.16: U2.2 -7.638,15.475 -7.544,15.569 -7.544,16.434 -7.402,16.575 U3.4
NetU3_2: U3.2 U4.4 | length 4
  Top Copper w0.16: U3.2 -2.638,15.475 -2.544,15.569 -2.544,16.434 -2.402,16.575 U4.4
NetU4_2: U4.2 U5.4 | length 4
  Top Copper w0.16: U4.2 2.362,15.475 2.456,15.569 2.456,16.434 2.598,16.575 U5.4
NetU5_2: U5.2 U6.4 | length 4
  Top Copper w0.16: U5.2 7.362,15.475 7.456,15.569 7.456,16.434 7.598,16.575 U6.4
NetU6_2: U6.2 U7.4 | length 33.7
  Top Copper w0.16: U7.4 -15.977,8.614 -15.977,11.87 -15.883,11.963 10.828,11.963 10.922,12.057 10.922,15.468 U6.2
NetU7_2: U7.2 U8.4 | length 4
  Top Copper w0.16: U7.2 -12.638,7.475 -12.544,7.569 -12.544,8.434 -12.402,8.575 U8.4
NetU8_2: U8.2 U9.4 | length 4
  Top Copper w0.16: U8.2 -7.638,7.475 -7.544,7.569 -7.544,8.434 -7.402,8.575 U9.4
NetU9_2: U9.2 U10.4 | length 4
  Top Copper w0.16: U9.2 -2.638,7.475 -2.544,7.569 -2.544,8.434 -2.402,8.575 U10.4
NetU10_2: U10.2 U11.4 | length 4
  Top Copper w0.16: U10.2 2.362,7.475 2.456,7.569 2.456,8.434 2.598,8.575 U11.4
NetU11_2: U11.2 U12.4 | length 4
  Top Copper w0.16: U11.2 7.362,7.475 7.456,7.569 7.456,8.434 7.598,8.575 U12.4
NetU12_2: U12.2 U13.4 | length 4
  Top Copper w0.16: U12.2 12.362,7.475 12.456,7.569 12.456,8.434 12.598,8.575 U13.4
NetU13_2: U13.2 U14.4 | length 43.5
  Top Copper w0.16: U14.4 -20.752,0.839 -20.752,4.275 -20.658,4.369 15.773,4.369 15.915,4.51 U13.2
NetU14_2: U14.2 U15.4 | length 4
  Top Copper w0.16: U14.2 -17.638,-0.525 -17.544,-0.431 -17.544,0.434 -17.402,0.575 U15.4
NetU15_2: U15.2 U16.4 | length 4
  Top Copper w0.16: U15.2 -12.638,-0.525 -12.544,-0.431 -12.544,0.434 -12.402,0.575 U16.4
NetU16_2: U16.2 U17.4 | length 4
  Top Copper w0.16: U16.2 -7.638,-0.525 -7.544,-0.431 -7.544,0.434 -7.402,0.575 U17.4
NetU17_2: U17.2 U18.4 | length 4
  Top Copper w0.16: U17.2 -2.638,-0.525 -2.544,-0.431 -2.544,0.434 -2.402,0.575 U18.4
NetU18_2: U18.2 U19.4 | length 4
  Top Copper w0.16: U18.2 2.362,-0.525 2.456,-0.431 2.456,0.434 2.598,0.575 U19.4
NetU19_2: U19.2 U20.4 | length 4
  Top Copper w0.16: U19.2 7.362,-0.525 7.456,-0.431 7.456,0.434 7.598,0.575 U20.4
NetU20_2: U20.2 U21.4 | length 4
  Top Copper w0.16: U20.2 12.362,-0.525 12.456,-0.431 12.456,0.434 12.598,0.575 U21.4
NetU21_2: U21.2 U22.4 | length 4
  Top Copper w0.16: U21.2 17.362,-0.525 17.456,-0.431 17.456,0.434 17.598,0.575 U22.4
NetU22_2: U22.2 U23.4 | length 43
  Top Copper w0.16: U23.4 -16.015,-3.32 -15.921,-3.226 19.583,-3.226 20.955,-1.854 20.955,-0.565 U22.2
NetU23_2: U23.2 U24.4 | length 4
  Top Copper w0.16: U23.2 -12.638,-8.525 -12.544,-8.431 -12.544,-7.566 -12.402,-7.425 U24.4
NetU24_2: U24.2 U25.4 | length 4
  Top Copper w0.16: U24.2 -7.638,-8.525 -7.544,-8.431 -7.544,-7.566 -7.402,-7.425 U25.4
NetU25_2: U25.2 U26.4 | length 4
  Top Copper w0.16: U25.2 -2.638,-8.525 -2.544,-8.431 -2.544,-7.566 -2.402,-7.425 U26.4
NetU26_2: U26.2 U27.4 | length 4
  Top Copper w0.16: U26.2 2.362,-8.525 2.456,-8.431 2.456,-7.566 2.598,-7.425 U27.4
NetU27_2: U27.2 U28.4 | length 4
  Top Copper w0.16: U27.2 7.362,-8.525 7.456,-8.431 7.456,-7.566 7.598,-7.425 U28.4
NetU28_2: U28.2 U29.4 | length 4
  Top Copper w0.16: U28.2 12.362,-8.525 12.456,-8.431 12.456,-7.566 12.598,-7.425 U29.4
NetU29_2: U29.2 U30.4 | length 32.7
  Top Copper w0.16: U30.4 -11.012,-15.425 -10.742,-15.155 -10.742,-14.928 -10.648,-14.835 -9.171,-14.835 -9.169,-14.834 -4.252,-14.834 -3.313,-13.894 15.331,-13.894 15.915,-13.31 U29.2
NetU30_2: U30.2 U31.4 | length 4
  Top Copper w0.16: U30.2 -7.638,-16.525 -7.544,-16.431 -7.544,-15.566 -7.402,-15.425 U31.4
NetU31_2: U31.2 U32.4 | length 4
  Top Copper w0.16: U31.2 -2.638,-16.525 -2.544,-16.431 -2.544,-15.566 -2.402,-15.425 U32.4
NetU32_2: U32.2 U33.4 | length 4
  Top Copper w0.16: U32.2 2.362,-16.525 2.456,-16.431 2.456,-15.566 2.598,-15.425 U33.4
NetU33_2: U33.2 U34.4 | length 4
  Top Copper w0.16: U33.2 7.362,-16.525 7.456,-16.431 7.456,-15.566 7.598,-15.425 U34.4
RTS: IC1.24 Q1.2 R6.2 | length 14.4
  Top Copper w0.16: v1(7.823,17.577) v1(15.215,17.577)
  Bottom Copper w0.16: R6.2 v1(7.823,17.577) ; IC1.24 12.413,16.121 12.506,16.027 15.225,16.027 ; Q1.2@15.005,15.205 Q1.2 15.225,16.027 ; v1(15.215,17.577) 15.225,17.567 15.225,16.027
USB_DN: H3.4 R5.1 USB1.A7 USB1.B7 | length 73.4
  Top Copper w0.16: v1(-0.746,20.93) v1(0.254,20.93) ; v1(6.604,19.413) 7.145,19.413 8.026,18.532 20.178,18.532 21.996,16.713 21.996,-17.399 21.311,-18.085 v1(16.535,-18.085)
  Bottom Copper w0.16: v1(-0.746,20.93) -0.748,20.932 -0.748,21.783 USB1.B7 -0.75,23.736 -0.49,23.995 5.977,23.995 6.375,23.597 6.375,19.804 6.469,19.71 6.604,19.71 ; USB1.A7 0.252,21.783 0.252,20.932 v1(0.254,20.93) ; v1(6.604,19.413) 6.604,19.71 ; R5.1 7.188,19.71 6.604,19.71
USB_DP: H3.6 R4.1 USB1.A6 USB1.B6 | length 69.1
  Top Copper w0.16: v1(7.214,18.415) 7.249,18.415 7.452,18.212 19.888,18.212 21.676,16.424 21.676,-17.211 21.311,-17.577 v1(18.567,-17.577)
  Bottom Copper w0.16: USB1.A6 -0.25,23.499 -0.074,23.675 5.616,23.675 5.918,23.373 5.918,19.228 6.198,18.948 R4.1 v1(7.214,18.415) ; USB1.B6 0.75,23.675 ; H3.6 17.993,-17.577 v1(18.567,-17.577)
VBUS: DIO1.1 USB1.A4 USB1.A9 USB1.B4 USB1.B9 | length 18.2
  Bottom Copper w0.3: USB1.A4 USB1.B9 ; USB1.B4 USB1.A9
  Bottom Copper w0.4: USB1.B9@-2.3,21.335 -2.3,20.58 -2.066,20.345 2.3,20.345 ; USB1.B4@2.3,21.735 2.3,20.345 ; DIO1.1 5.436,12.802 5.436,20.111 5.201,20.345 2.3,20.345
pads on no net: CARD1. CARD1.1 CARD1.8 CARD1.9 H1.3 H2.1 H2.2 H2.3 H2.4 H2.5 H2.6 IC1.1 IC1.2 IC1.10 IC1.12 IC1.13 IC1.14 IC1.15 IC1.16 IC1.17 IC1.18 IC1.19 IC1.20 IC1.21 IC1.22 IC1.23 IC1.27 IC2.3 U1.4 U1.5 U1.14 U1.17 U1.18 U1.19 U1.20 U1.21 U1.22 U1.24 U1.32 U34.2 USB1. USB1.A8 USB1.B8

## Polygon pours and split planes (outlines as drawn)
GND on Top Copper "GND_L01_P000" (solid, remove dead copper, pour order 0): -17.177,-26.587 ccw(c-14.511,-25.004) -14.354,-28.1 -10,-28.1 ccw(c-10,-28) -9.9,-28 -9.9,-21.6 9.996,-21.6 9.996,-28 ccw(c10.097,-28) 10.097,-28.1 14.453,-28.1 14.489,-28.094 ccw(c14.529,-24.994) 17.254,-26.473 17.259,-26.462 31.796,-1.413 31.808,-1.382 ccw(c29.032,0) 32.133,0 ccw(c29.032,0) 31.655,1.654 31.648,1.669 17.193,26.575 17.161,26.614 ccw(c14.511,25.004) 14.354,28.1 -14.25,28.1 -14.302,28.086 ccw(c-14.529,24.994) -17.337,26.308 -31.786,1.424 -31.789,1.419 ccw(c-29.032,0) -31.831,-1.334 -31.827,-1.341
GND on Bottom Copper "Bottom Copper-GND" (solid, remove dead copper, pour order 1): -17.177,-26.587 ccw(c-14.511,-25.004) -14.354,-28.1 -10,-28.1 ccw(c-10,-28) -9.9,-28 -9.9,-21.6 9.996,-21.6 9.996,-28 ccw(c10.097,-28) 10.097,-28.1 14.453,-28.1 14.489,-28.094 ccw(c14.529,-24.994) 17.254,-26.473 17.259,-26.462 31.796,-1.413 31.808,-1.382 ccw(c29.032,0) 32.133,0 ccw(c29.032,0) 31.655,1.654 31.648,1.669 17.193,26.575 17.161,26.614 ccw(c14.511,25.004) 14.354,28.1 -14.25,28.1 -14.302,28.086 ccw(c-14.529,24.994) -17.337,26.308 -31.786,1.424 -31.789,1.419 ccw(c-29.032,0) -31.831,-1.334 -31.827,-1.341
GND on Signal Layer 1 "Signal Layer 1-GND" (solid, remove dead copper, pour order 2): -17.177,-26.587 ccw(c-14.511,-25.004) -14.354,-28.1 -10,-28.1 ccw(c-10,-28) -9.9,-28 -9.9,-21.6 9.996,-21.6 9.996,-28 ccw(c10.097,-28) 10.097,-28.1 14.453,-28.1 14.489,-28.094 ccw(c14.529,-24.994) 17.254,-26.473 17.259,-26.462 31.796,-1.413 31.808,-1.382 ccw(c29.032,0) 32.133,0 ccw(c29.032,0) 31.655,1.654 31.648,1.669 17.193,26.575 17.161,26.614 ccw(c14.511,25.004) 14.354,28.1 -14.25,28.1 -14.302,28.086 ccw(c-14.529,24.994) -17.337,26.308 -31.786,1.424 -31.789,1.419 ccw(c-29.032,0) -31.831,-1.334 -31.827,-1.341
GND on Signal Layer 2 "Signal Layer 2-GND" (solid, remove dead copper, pour order 3): -17.177,-26.587 ccw(c-14.511,-25.004) -14.354,-28.1 -10,-28.1 ccw(c-10,-28) -9.9,-28 -9.9,-21.6 9.996,-21.6 9.996,-28 ccw(c10.097,-28) 10.097,-28.1 14.453,-28.1 14.489,-28.094 ccw(c14.529,-24.994) 17.254,-26.473 17.259,-26.462 31.796,-1.413 31.808,-1.382 ccw(c29.032,0) 32.133,0 ccw(c29.032,0) 31.655,1.654 31.648,1.669 17.193,26.575 17.161,26.614 ccw(c14.511,25.004) 14.354,28.1 -14.25,28.1 -14.302,28.086 ccw(c-14.529,24.994) -17.337,26.308 -31.786,1.424 -31.789,1.419 ccw(c-29.032,0) -31.831,-1.334 -31.827,-1.341

## Keep-outs
Keep-Out Layer:
  lines w0.2: -17.091,-26.536 ccw(c-14.511,-25.004) -14.356,-28 -10,-28 -10,-21.5 10.097,-21.5 10.097,-28 14.453,-28 ; -17.069,-26.568 -31.74,-1.291 cw(c-29.032,0) -31.699,1.373 -17.248,26.261 cw(c-14.529,24.994) -14.267,27.982 ; -14.25,28 14.376,28 ; 14.356,28 cw(c14.511,25.004) 17.075,26.561 ; 14.479,-27.993 ccw(c14.529,-24.994) 17.165,-26.425 ; 17.106,26.525 31.561,1.618 ; 17.164,-26.424 31.709,-1.363 ; 31.559,1.617 cw(c29.032,0) 31.699,-1.373

## Silkscreen, mask and mechanical layers (free items; w line width, h text height)
Top Overlay:
  drawing of 14 lines, arcs and shapes, not listed
  text "RESET" at -2.264,21.028 h1
  text "CYOBrain V2.0" at -25.154,5.16 h2 r60
  text "CYOBrain V2.0" at 25.434,-4.702 h2 r240
Bottom Overlay:
  lines w0.2: 9.754,8.026 21.082,8.026 ; 15.113,-0.483 15.113,7.976 ; 9.677,-0.508 9.677,10.465 10.49,10.465 21.107,10.465 21.107,-0.508 9.677,-0.508
  text "POWER" at -7.922,22.933 h1
  text "SD PINOUT" at 19.841,8.734 h1
  text "19" at 13.11,6.347 h1
  text "MISO" at 20.095,6.347 h1
  text "23" at 13.11,4.239 h1
  text "MOSI" at 20.095,4.239 h1
  text "18" at 13.11,2.232 h1
  text "CLK" at 20.095,2.232 h1
  text "04" at 13.11,0.149 h1
  text "SS" at 20.095,0.149 h1

## Text inside footprints (layer, text, board x,y; h text height)
U1: Mechanical 4 "ANTENNA" at -5.725,-23.501 h1.88 r180; Mechanical 4 "ANTENNA" at -5.725,-23.501 h1.88 r180